# Altium PCB QCopterMV__Pcb.PcbDoc (part 2 of 2)
Units mil, origin at the board's own origin, x right, y up, seen from the top; angles counter-clockwise.
Board outline 2677.17 x 1299.21 mil, 2 copper layers (Top Layer, Bottom Layer); 62 components, 103 nets, 336 pads, 115 vias.
Unrouted connection lines stored in the file: 1.
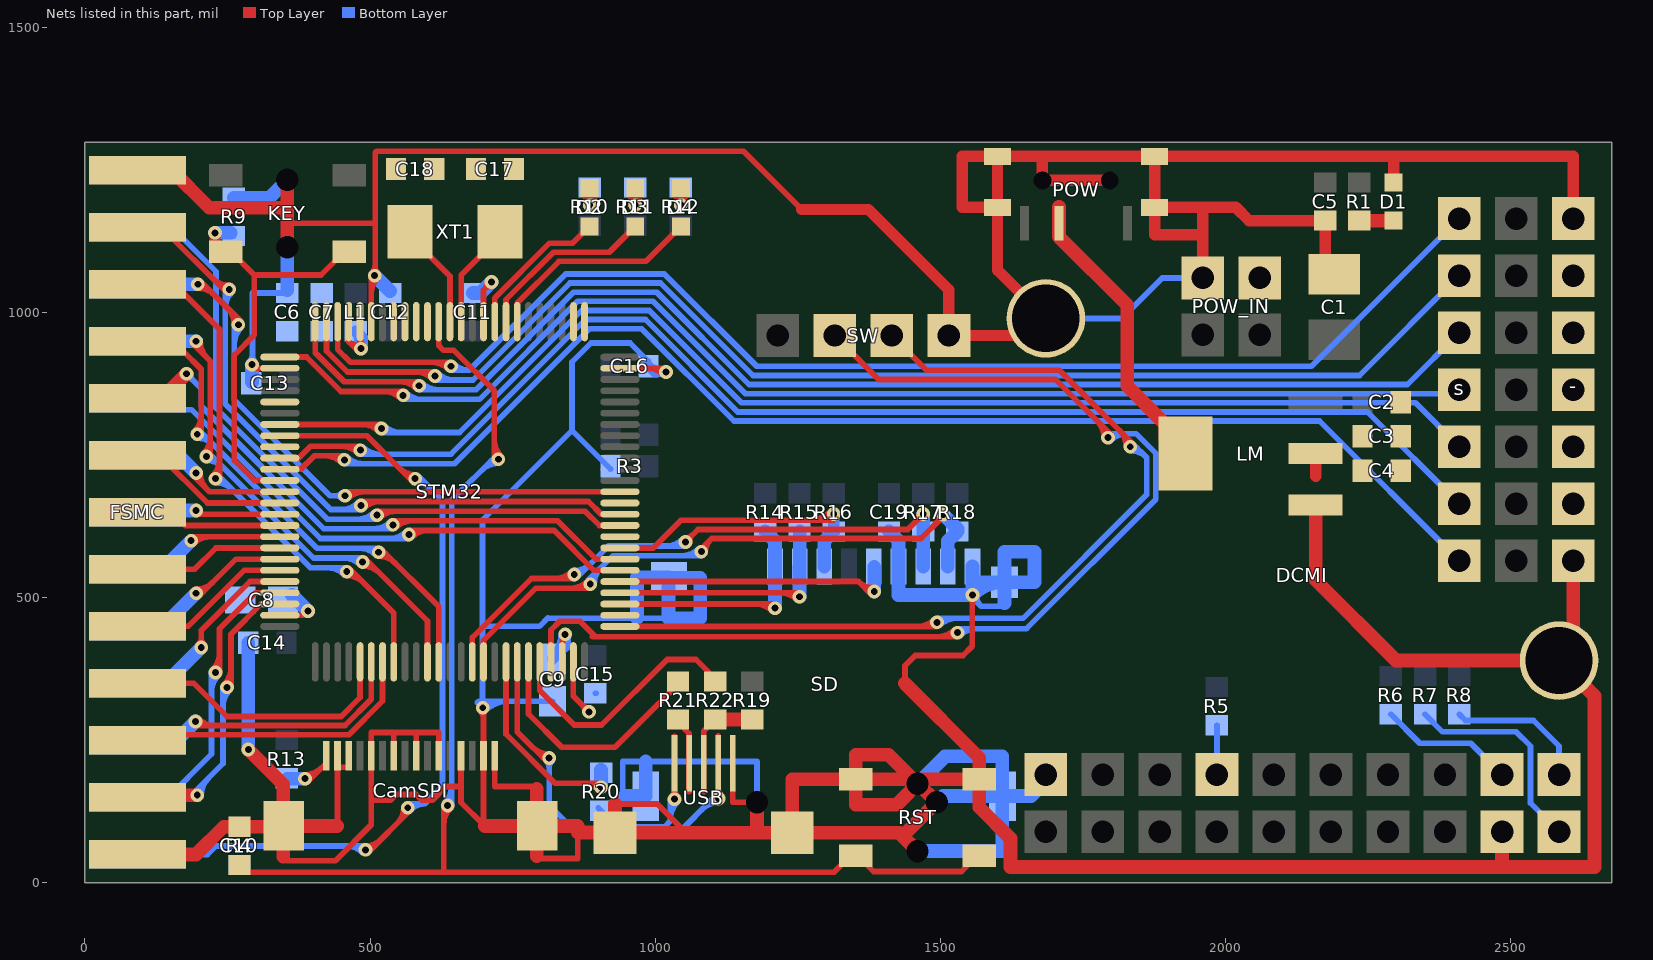
[diagram p2: the nets of this part, all layers, seen from the top]

## Via types
v1: diameter 24, hole 12, Top Layer to Bottom Layer, 115 vias

## Nets (pads, with @x,y where several pads share a name; then routed paths per layer and width w, separated by ;. In a path a pad name is that pad's centre, name@x,y a point inside that pad or via, vN(x,y) a via of type N, cw(c..) or ccw(c..) an arc to the next point about the centre after c; other vN are vias at no path point) (continued)
GND: -.1 -.2 -.3 -.4 -.5 -.6 -.7 C1.2 C2.1 C3.1 C4.1 C5.1 C6.2 C7.2 C8.2 C9.2 C10.2 C11.1 C12.1 C13.1 C14.1 C15.1 C16.1 C17.1 C18.1 C19.1 CamSPI.0 CamSPI.2 CamSPI.3 CamSPI.5 CamSPI.7 CamSPI.9 CamSPI.11 CamSPI.13 CamSPI.15 CamSPI.16 D1.2 DCMI.0 DCMI.2 DCMI.17 FSMC.2 FSMC.26 KEY.0 LM.1 POW.0 POW_IN.2 POW_IN.4 R3.2 R9.1 RST.0 RST.2 SD.6 SD.9 STM32.10 STM32.20 STM32.27 STM32.74 STM32.99 SW.4 USB. USB.5 | length 17425.6
  Top Layer w10: v1@293.46,902.54 STM32.27@341.77,902.54 ; CamSPI.0@333.56,100.02 347.56,86.02 CamSPI.0@347.56,100.02 ; 347.56,44.94 353.5,39 439.1,39 502.1,102 502.1,264 580.84,264 ; KEY.0@355,1114.94 355,1156 356,1157 506,1157 ; 443.05,100.02 CamSPI.2@443.05,222.98 ; CamSPI.2@443.05,202.98 CamSPI.3@462.73,202.98 ; 502.1,145 536,145 546,155 581,155 591,145 609,145 633,169 658.58,169 ; STM32.20@502.2,984.23 502.2,1059.2 v1(508,1065) ; 502.2,1034.11 cw(c538.89,1034.11) v1@512.95,1060.05 ; v1@503.05,1069.95 ccw(c488.69,1084.31) 509,1084.31 ; v1@509,1065 509,1280.89 511.11,1283 1155,1283 1257,1181 ; 509,1079.49 ccw(c522.49,1079.49) v1@512.95,1069.95 ; CamSPI.7@541.47,222.98 541.47,264 ; CamSPI.9@580.84,222.98 580.84,264 ; CamSPI.11@620.21,217.98 620.21,264 580.84,264 ; CamSPI.13@659.58,222.98 659.58,141.35 698.95,101.98 v1@698.95,307.36 ; v1@692.69,302.41 cw(c677.56,287.29) 698.95,287.29 ; 698.95,293.64 cw(c711.36,293.64) v1@702.59,302.41 ; STM32.10@699.06,984.23 699.06,1040.06 v1(713,1054) ; v1@706,1054 cw(c689.1,1054) 701.05,1042.05 cw(c713,1030.1) v1@713,1047 ; CamSPI.16@718.64,222.98 718.64,169 792,169 ; 794.32,43 864,43 864,100.02 ; STM32.74@856.54,387.77 856.54,327.46 v1(884,300) ; v1@877,300 ccw(c860.1,300) 872.05,311.95 ccw(c884,323.9) v1@884,307 ; STM32.99@938.23,902.54 v1@1019.46,902.54 ; 941,138.49 1003.51,138.49 1046.84,95.16 ; 986.32,902.54 cw(c986.32,863.32) v1@1014.05,891.05 ; USB.5@1136.18,210 1136.18,141.61 SD.6@1178.5,141.61 ; 1438,350 1438,381 1456,399 1540,399 1556,415 v1@1556,508 ; 1452.13,181.93 RST.0@1460,174.06 ; v1@1551.51,500.05 cw(c1540.66,489.2) 1556,489.2 ; 1556,487 cw(c1574.46,487) v1@1561.41,500.05 ; DCMI.0@1655,960 DCMI.0@1685,990 ; C1.2@2175,1083.09 C1.2@2191,1067.09 ; DCMI.0@2585,390 DCMI.0@2610,415
  Top Layer w20: 1257,1181 1374,1181 1515,1040 SW.4@1515,960 DCMI.0@1655,960 ; DCMI.0@1685,990 1600.2,1074.8 POW.0@1600.2,1184.76 ; POW.0@1797.06,1232 POW.0@1678.94,1232 1678.94,1274.24 ; POW_IN.2@1960,1061 1960,1184.76 ; 1960,1137 1875.8,1137 POW.0@1875.8,1184.76 ; C1.2@2175,1083.09 C5.1@2175,1161.54 2041.22,1161.54 2018,1184.76 1960,1184.76 ; D1.2@2295,1228.46 2295,1274.24 ; -.1@2610,1165 2610,1274.24 2295,1274.24 ; POW.0@1600.2,1184.76 POW.0@1600.2,1274.24 ; POW.0@1600.2,1184.76 1538.76,1184.76 1538.76,1274.24 POW.0@1600.2,1274.24 ; POW.0@1600.2,1274.24 1678.94,1274.24 ; 1678.94,1274.24 POW.0@1875.8,1274.24 ; POW.0@1875.8,1184.76 1960,1184.76 ; POW.0@1875.8,1184.76 POW.0@1875.8,1274.24 ; POW.0@1875.8,1274.24 2295,1274.24
  Top Layer w24: FSMC.26@92,50 195,50 243.46,98.46 C10.2@271,98.46 CamSPI.0@347.56,98.46 ; FSMC.2@92,1250 152,1250 218,1184 355,1184 ; v1(286.54,234) 347.56,172.98 347.56,100.02 442.05,100.02 ; 347.56,45.94 CamSPI.0@347.56,87.02 ; KEY.0@355,1114.94 KEY.0@355,1233.06 ; 700.9,100.02 864,100.02 ; 792.44,47 792.44,164.88 ; 864,88.66 929.49,88.66 929.49,138.49 ; USB.@929.49,88.16 1178.5,88.16 ; SD.6@1178.5,141.61 1178.5,88.16 ; 1433.9,82.05 1492.44,140.59 SD.6@1492.44,141.61 ; 1438,350 1568.27,219.73 RST.2@1568.27,181.93 ; 1452.13,181.93 RST.2@1351.73,181.93 ; RST.0@1460,55.94 1427.79,88.16 USB.@1240.51,88.16 ; SD.6@1493.46,141.61 RST.0@1460,174.06 1409.06,225 1351.73,225 RST.2@1351.73,181.93 ; LM.1@2158.17,662.84 2158.17,530.83 2299,390 DCMI.0@2585,390 2647,328 2647,28 2485,28 ; DCMI.17@2485,90 2485,28 ; DCMI.0@2610,415 -.7@2610,565 ; 1178.5,88.16 USB.@1240.51,88.16 ; USB.@1240.51,88.16 1240.51,181.93 RST.2@1351.73,181.93 ; RST.2@1351.73,181.93 1351.73,137 1422.94,137 1467.87,181.93 RST.2@1568.27,181.93 ; RST.2@1568.27,181.93 1568.27,132.73 1623,78 1623,28 2485,28
  Bottom Layer w10: v1@288.05,913.95 ccw(c273.69,928.31) 294,928.31 ; v1@294,904 294,1034.46 C6.2@355,1034.46 ; 294,923.49 ccw(c307.49,923.49) v1@297.95,913.95 ; C12.1@535,1034.46 C12.1@535,1038 ; 688.44,316.56 cw(c693.38,311.62) 693.38,318.6 ; v1@692.69,312.31 ccw(c682.27,322.73) 697,322.73 ; v1@695.52,309.48 cw(c717.52,287.48) 717.52,318.6 ; v1@697,303.36 697,450 ; 697,325.8 ccw(c716.07,325.8) v1@702.59,312.31 ; v1@697.6,318.6 C9.2@820,318.6 ; v1@702.59,302.41 cw(c741.66,263.34) 741.66,318.6 ; 812,465 797,450 697,450 ; 813,464 1023.9,464 ; C15.1@895,332.54 C15.1@896.54,332.54 ; R3.2@921.54,726 854,793.54 ; 943,152.36 943,213 1178.5,213 SD.6@1178.5,141.61 ; C16.1@988.46,906 988.46,914.54 956,947 887.47,947 854,913.53 854,793.54 ; SD.6@1023.9,524.32 SD.6@1029.9,530.32 ; SD.6@1493.46,141.61 1504.21,152.36 ; v1@1551.46,505 1571.46,485 ; v1@1563.46,504.86 ccw(c1590.78,504.33) 1571.46,485 ; 1612.56,485 1571.46,485 ; DCMI.0@1685,990 1818,990 1889,1061 POW_IN.2@1960,1061 ; 697,450 697,636.54 854,793.54
  Bottom Layer w18: v1@1018.08,898.86 cw(c1009.12,926.65) C16.1@988.46,906 998.46,896 v1(1019,896)
  Bottom Layer w24: R9.1@261,1201.46 323.41,1201.46 KEY.0@355,1233.06 ; v1(286.54,234) C14.1@286.54,421 ; C13.1@293,878.46 v1(293,909) ; C6.2@355,1039.46 KEY.0@355,1114.94 ; v1(508,1065) C12.1@535,1038 ; C11.1@680,1034.46 693.46,1034.46 v1(713,1054) ; 947,152.36 SD.6@983.46,152.36 983.46,213 ; 968,464 968,536 1023.21,536 1023.21,464 ; 1023.9,464 1079,464 1079,535.32 SD.6@1023.9,535.32 ; C19.1@1410,616.54 1426.54,600 SD.6@1426.54,555 1426.54,505 v1(1556.46,505) ; RST.0@1460,55.94 1608.7,55.94 SD.6@1608.7,152.36 ; RST.0@1460,174.06 1507.94,222 1608.7,222 SD.6@1608.7,152.36 ; 1504.21,152.36 SD.6@1608.7,152.36 ; SD.9@1556.46,555 SD.9@1556.46,527.32 ; SD.6@1610.33,527.32 ccw(c1610.33,451.13) v1(1556.46,505) ; 1612.56,491 1612.56,581 1665,581 1665,527.32 SD.6@1612.56,527.32 SD.9@1556.46,527.32 ; DCMI.2@1685,190 1685,178 1659.36,152.36 SD.6@1608.7,152.36 ; v1(1556.46,505) SD.9@1556.46,527.32
  other v1: 697.64,307.36
KEY: KEY.2 R9.2 STM32.37 | length 771.4
  Top Layer w10: KEY.2@246.73,1107.07 255.93,1107.07 297,1066 ; STM32.37@341.77,705.68 297.32,705.68 262,741 262,926 297,961 297,1066 ; KEY.2@455.07,1107.07 414,1066 297,1066 ; KEY.2@457.07,1107.07 KEY.2@465.27,1107.07
  Top Layer w20: v1(228,1140) 228,1107.07 KEY.2@246.73,1107.07
  Bottom Layer w10: R9.2@255.54,1140 R9.2@261,1134.54
  Bottom Layer w24: v1(228,1140) R9.2@255.54,1140
LCD_CS: FSMC.5 STM32.88 | length 1265.9
  Top Layer w10: v1@198,1043 cw(c198,1001.96) 227.02,1030.98 ; v1@198,1053 cw(c198,1036.1) 209.95,1048.05 ; v1@203,1055 v1@274,984 ; 249.98,1008.02 cw(c220.96,979) v1@262,979 ; 267.05,990.95 cw(c255.1,979) v1@272,979 ; v1@456,686 STM32.88@938.23,686 ; v1@460.95,674.05 cw(c489.8,645.2) 489.8,686
  Bottom Layer w10: 262,945.2 cw(c302.8,945.2) v1@273.95,974.05 ; v1@262,979 262,847 430,679 v1(456,679) ; v1@451.05,674.05 ccw(c439.1,662.1) 439.1,679 ccw(c439.1,695.9) v1@451.05,683.95
  Bottom Layer w24: FSMC.5@92,1050 v1(198,1050)
  other v1: 269,979
LCD_D0: FSMC.7 STM32.61 | length 1083.3
  Top Layer w10: v1@190,945 220,915 v1@220,748 ; v1@192,950 ccw(c208.9,950) 196.95,938.05 ; v1@202,950 ccw(c243.04,950) 214.02,920.98 ; v1@208.05,752.95 ccw(c179.2,781.8) 220,781.8 ; v1@487,556 cw(c487,514.96) 516.02,543.98 ; v1@487,566 cw(c487,549.1) 498.95,561.05 ; v1@491.81,568.19 600.63,459.37 STM32.61@600.63,387.77
  Bottom Layer w10: v1@213,741 cw(c213,699.96) 242.02,728.98 ; v1@213,751 cw(c213,734.1) 224.95,746.05 ; v1@218,753 401,570 v1@487,570 ; 453.2,570 cw(c453.2,529.2) v1@482.05,558.05
  Bottom Layer w24: FSMC.7@92,950 v1(195,950)
  other v1: 487,563 213,748
LCD_D1: FSMC.8 STM32.62 | length 975
  Top Layer w10: FSMC.8@148,933 172,933 204,901 v1@204,787 ; v1@192.05,791.95 ccw(c163.2,820.8) 204,820.8 ; v1@515,573 cw(c515,531.96) 544.02,560.98 ; v1@515,583 cw(c515,566.1) 526.95,578.05 ; v1@520,585 620.31,484.69 STM32.62@620.31,387.77
  Bottom Layer w10: v1@197,780 cw(c197,738.96) 226.02,767.98 ; v1@197,790 cw(c197,773.1) 208.95,785.05 ; v1@202,792 407,587 v1@515,587 ; 481.2,587 cw(c481.2,546.2) v1@510.05,575.05
  other v1: 515,580 197,787
LCD_D2: FSMC.9 STM32.81 | length 1040.1
  Top Layer w10: v1@569,618 823,618 892.8,548.2 STM32.81@938.23,548.2 ; v1@572.95,606.05 cw(c601.8,577.2) 601.8,618
  Bottom Layer w10: FSMC.9@92,850 112,830 187,830 413,604 v1@568,604 ; 534.2,604 ccw(c534.2,644.8) v1@563.05,615.95
  other v1: 568,611
LCD_D3: FSMC.10 STM32.82 | length 1113.3
  Top Layer w10: v1@540,635 829,635 896.11,567.89 STM32.82@938.23,567.89 ; v1@544.95,623.05 cw(c573.8,594.2) 573.8,635
  Top Layer w24: FSMC.10@92,850 135,850 v1(178,893)
  Bottom Layer w10: v1@178,886 cw(c178,869.1) 189.95,881.05 cw(c201.9,893) v1@185,893 ; v1(178,893) 204,867 204,836 419,621 v1@540,621 ; 506.2,621 ccw(c506.2,661.8) v1@535.05,632.95
  other v1: 540,628
LCD_D4: FSMC.11 STM32.38 | length 310.7
  Top Layer w10: v1@189.82,714.82 218.65,686 STM32.38@341.77,686 ; v1@202,719 ccw(c241.48,719) 213.56,691.08
  Bottom Layer w24: FSMC.11@92,750 164,750 v1(195,719)
LCD_D5: FSMC.12 STM32.39 | length 300.4
  Top Layer w10: FSMC.12@102,750 FSMC.12@157,750 ; FSMC.12@131,750 214.69,666.31 STM32.39@341.77,666.31
LCD_D6: FSMC.13 STM32.40 | length 249.1
  Top Layer w10: v1@195.63,646.63 STM32.40@341.77,646.63
  Bottom Layer w24: FSMC.13@92,653 v1(195,653)
LCD_D7: FSMC.14 STM32.41 | length 184.2
  Top Layer w10: FSMC.14@163,640 176.06,626.94 STM32.41@341.77,626.94
LCD_D8: FSMC.15 STM32.42 | length 302.6
  Top Layer w10: v1@186.26,607.26 STM32.42@341.77,607.26 ; v1@191.21,595.31 cw(c220.06,566.46) 220.06,607.26
  Bottom Layer w24: FSMC.15@92,550 136,550 v1(186.26,600.26)
LCD_D9: FSMC.16 STM32.43 | length 265.3
  Top Layer w10: FSMC.16@92,550 192,550 229.57,587.57 STM32.43@341.77,587.57
LCD_D10: FSMC.17 STM32.44 | length 294.8
  Top Layer w10: v1@195,505 ccw(c195,521.9) 206.95,509.95 ; v1@195,515 ccw(c195,556.04) 224.02,527.02 ; v1@201,504 264.89,567.89 STM32.44@341.77,567.89
  Bottom Layer w24: FSMC.17@137,450 v1(195,508)
LCD_D11: FSMC.18 STM32.45 | length 290.4
  Top Layer w10: FSMC.18@92,450 181,450 279.2,548.2 STM32.45@341.77,548.2
LCD_D12: FSMC.19 STM32.46 | length 359.6
  Top Layer w10: v1@199.05,417.95 ccw(c187.1,429.9) 204,429.9 ccw(c220.9,429.9) v1@208.95,417.95 ; v1(204,413) 204,443 289.52,528.52 STM32.46@341.77,528.52
  Bottom Layer w10: FSMC.19@127,341 FSMC.19@155,341
  Bottom Layer w24: FSMC.19@132,341 v1(204,413)
LCD_D13: FSMC.20 STM32.55 | length 434.5
  Top Layer w10: FSMC.20@153,339 164,350 191,350 249,292 449.53,292 482.52,324.99 STM32.55@482.52,387.77
LCD_D14: FSMC.21 STM32.56 | length 540.7
  Top Layer w10: v1@194,276 456.15,276 502.2,322.05 STM32.56@502.2,387.77 ; v1@198.95,287.95 ccw(c227.8,316.8) 227.8,276
  Bottom Layer w24: FSMC.21@92,250 161,250 v1(194,283)
LCD_D15: FSMC.22 STM32.57 | length 535
  Top Layer w10: FSMC.22@80,260 462.78,260 521.89,319.11 STM32.57@521.89,387.77
LCD_INT: FSMC.24 STM32.48 | length 611.8
  Top Layer w10: v1@244.05,347.95 ccw(c215.2,376.8) 256,376.8 ; v1@256,344 256,436.14 309.01,489.15 STM32.48@341.77,489.15
  Top Layer w24: FSMC.24@98,154 v1(197,154)
  Bottom Layer w10: v1@192,159 242.26,209.26 v1@242.26,342.26 ; v1@194,154 cw(c210.9,154) 198.95,165.95 ; v1@204,154 cw(c245.04,154) 216.02,183.02 ; 242.26,309.84 cw(c282.16,309.84) v1@253.95,338.05
  other v1: 249,343
LCD_RD: FSMC.3 STM32.85 | length 1224.7
  Top Layer w10: v1@512,652 877,652 902.06,626.94 STM32.85@938.23,626.94 ; v1@516.95,640.05 cw(c545.8,611.2) 545.8,652
  Bottom Layer w10: FSMC.3@138,1145 157,1145 230,1072 230,833 425,638 v1@512,638 ; 478.2,638 ccw(c478.2,678.8) v1@507.05,649.95
  other v1: 512,645
LCD_RS: FSMC.6 STM32.58 | length 1032.6
  Top Layer w10: FSMC.6@137,1041 166,1041 236,971 v1@236,709 ; v1@224.05,713.95 ccw(c195.2,742.8) 236,742.8 ; v1@459,539 cw(c459,497.96) 488.02,526.98 ; v1@459,549 cw(c459,532.1) 470.95,544.05 ; v1@464,551 541.57,473.43 STM32.58@541.57,387.77
  Bottom Layer w10: v1@229,702 cw(c229,660.96) 258.02,689.98 ; v1@229,712 cw(c229,695.1) 240.95,707.05 ; v1@233.68,714.32 395,553 v1@459,553 ; 425.2,553 cw(c425.2,512.2) v1@454.05,541.05
  other v1: 459,546 229,709
LCD_RST: FSMC.25 STM32.33 | length 1602.5
  Top Layer w10: STM32.33@341.77,784.43 494.22,784.43 v1@576.32,702.32 ; v1@492,65 ccw(c492,103.63) 519.31,76.31 ; v1@495,52 v1@570.82,127.82 ; 547.69,104.69 ccw(c520.37,132) v1@559,132 ; 551.08,727.56 ccw(c579,755.48) v1@579,716
  Bottom Layer w10: FSMC.25@92,50 215,50 230,65 v1@492,65 ; 458.2,65 cw(c458.2,24.2) v1@487.05,53.05 ; v1@565,139 596,139 ; v1@571.37,127.5 cw(c596,106.86) 596,139 ; v1@579,702 cw(c579,661.2) 607.85,690.05 ; v1@583.95,713.95 627,670.9 627,170 596,139
  other v1: 492,58 566,132 579,709
LCD_WAIT: FSMC.23 STM32.47 | length 540.3
  Top Layer w10: v1@224.05,373.95 ccw(c195.2,402.8) 236,402.8 ; v1@236,370 236,445.77 299.06,508.83 STM32.47@341.77,508.83
  Bottom Layer w10: FSMC.23@130,145 141,145 222,226 v1@222,369 ; 222,335.2 cw(c262.8,335.2) v1@233.95,364.05
  other v1: 229,369
LCD_WR: FSMC.4 STM32.86 | length 1352.2
  Top Layer w10: FSMC.4@91,1150 FSMC.4@157,1150 ; FSMC.4@131,1153 v1@248,1036 ; 223.98,1060.02 ccw(c253,1089.04) v1@253,1048 ; 241.05,1042.95 ccw(c253,1054.9) v1@253,1038 ; v1@484,669 883.09,669 905.46,646.63 STM32.86@938.23,646.63 ; v1@488.95,657.05 cw(c517.8,628.2) 517.8,669
  Bottom Layer w10: 246,1007.2 cw(c286.8,1007.2) v1@257.95,1036.05 ; v1@246,1041 246,840 431,655 v1@484,655 ; 450.2,655 ccw(c450.2,695.8) v1@479.05,666.95
  other v1: 484,662 253,1041
LED_B: D4.2 STM32.7 | length 375.4
  Top Layer w10: STM32.7@758.11,984.23 758.11,1016.99 831.12,1090 983.46,1090 D4.2@1045,1151.54
LED_G: D3.2 STM32.8 | length 318.6
  Top Layer w10: STM32.8@738.43,984.23 738.43,1022.94 821.49,1106 919.46,1106 D3.2@965,1151.54
LED_R: D2.2 STM32.9 | length 260
  Top Layer w10: STM32.9@718.74,984.23 718.74,1025.88 814.86,1122 855.46,1122 D2.2@885,1151.54
NetCamSPI_1: CamSPI.1 R13.2 | length 135.4
  Top Layer w10: v1@386,180 ccw(c386,196.9) 397.95,184.95 ; v1@386,190 ccw(c386,231.04) 415.02,202.02 ; v1@391,178 423.36,210.36 CamSPI.1@423.36,222.98
  Bottom Layer w24: R13.2@354.54,183 v1(386,183)
NetD1_1: D1.1 R1.1 | length 60
  Top Layer w24: R1.1@2235,1161.54 D1.1@2295,1161.54
NetD2_1: D2.1 R10.1 | length 59.9
  Top Layer w24: v1(885,1189) D2.1@885,1218.46
  Bottom Layer w24: v1(885,1189) R10.1@885,1219.46
NetD3_1: D3.1 R11.1 | length 59.9
  Top Layer w24: v1(965,1189) D3.1@965,1218.46
  Bottom Layer w24: v1@965,1189.54 R11.1@965,1220
NetD4_1: D4.1 R12.1 | length 59.9
  Top Layer w24: v1(1045,1189) D4.1@1045,1218.46
  Bottom Layer w24: v1(1045,1189) R12.1@1045,1219.46
NetDCMI_8: DCMI.8 R5.1 | length 86.5
  Bottom Layer w10: DCMI.8@1985,190 R5.1@1985,276.54
NetDCMI_18: DCMI.18 R6.1 | length 238.8
  Bottom Layer w10: R6.1@2290,295.79 2340.79,245 2430,245 DCMI.18@2485,190
NetDCMI_19: DCMI.19 R7.2 | length 378.8
  Bottom Layer w10: R7.2@2350,295.79 2380.79,265 2510,265 2535,240 2535,140 DCMI.19@2585,90
NetDCMI_20: DCMI.20 R8.1 | length 248.1
  Bottom Layer w10: R8.1@2410,295.79 2420.79,285 2540,285 2585,240 DCMI.20@2585,190
NetR19_1: R19.1 R22.1 USB.3 | length 199.8
  Top Layer w10: 1085,160 1085,266.54 R22.1@1105,286.54
  Top Layer w24: R22.1@1105,286.54 R19.1@1170,286.54
NetR21_1: R21.1 USB.2 | length 129.6
  Top Layer w10: R21.1@1040,281.54 1059.41,262.13 1059.41,160
NetSTM32_1: STM32.1
NetSTM32_2: STM32.2
NetSTM32_15: STM32.15
NetSTM32_16: STM32.16
NetSTM32_17: STM32.17
NetSTM32_18: STM32.18
NetSTM32_30: STM32.30
NetSTM32_34: STM32.34
NetSTM32_87: STM32.87
OSC1: C17.2 STM32.12 XT1.2 | length 186
  Top Layer w10: STM32.12@659.69,984.23 659.69,1065.68 727.74,1133.74 XT1.2@727.74,1142
OSC2: C18.2 STM32.13 XT1.1 | length 194.4
  Top Layer w10: XT1.1@562.26,1130.74 573.26,1130.74 640,1064 STM32.13@640,984.23 ; XT1.1@570.26,1132.74 XT1.1@570.26,1142
PWM1: s.1 STM32.23 | length 2331.4
  Top Layer w10: STM32.23@443.15,984.23 443.15,935.73 465.88,913 v1@642,913 ; 608.2,913 cw(c608.2,872.2) v1@637.05,901.05
  Bottom Layer w10: v1@642,899 674,899 ; v1@647.14,910.75 ccw(c674,935.57) 674,899 ; s.1@2410,1165 2151,906 1178,906 1016,1068 843,1068 674,899
  other v1: 642,906
PWM2: s.2 STM32.24 | length 2326.3
  Top Layer w10: STM32.24@423.46,984.23 423.46,932.79 460.25,896 v1@614,896 ; 580.2,896 cw(c580.2,855.2) v1@609.05,884.05
  Bottom Layer w10: v1@614,882 680.37,882 850.37,1052 1009.37,1052 1171.37,890 ; v1@618.95,893.95 ccw(c647.8,922.8) 647.8,882 ; 1172.37,890 2235,890 s.2@2410,1065
  other v1: 614,889
PWM3: s.3 STM32.25 | length 2320.4
  Top Layer w10: STM32.25@403.78,984.23 403.78,929.85 454.63,879 v1@586,879 ; 552.2,879 cw(c552.2,838.2) v1@581.05,867.05
  Bottom Layer w10: v1@586,865 686,865 857,1036 1002.75,1036 1164.75,874 ; v1@590.95,876.95 ccw(c619.8,905.8) 619.8,865 ; 1165.75,874 2319,874 s.3@2410,965
  other v1: 586,872
PWM4: s.4 STM32.26 | length 2294.6
  Top Layer w10: STM32.26@341.77,922.22 388.78,922.22 449,862 v1@558,862 ; 524.2,862 cw(c524.2,821.2) v1@553.05,850.05
  Bottom Layer w10: v1@558,848 692,848 864,1020 996.12,1020 1158.12,858 ; v1@562.95,859.95 ccw(c591.8,888.8) 591.8,848 ; 1159.12,858 s.4@2410,858
  other v1: 558,855
PWM5: s.5 STM32.32 | length 2332.5
  Top Layer w10: STM32.32@341.77,804.11 v1@519.89,804.11 ; 485.94,804.11 cw(c485.94,762.93) v1@515.05,792.05 ; 510.08,804.11 cw(c510.08,787.08) v1@522.12,799.12
  Bottom Layer w10: v1@520,790 657,790 871,1004 989.49,1004 1151.49,842 ; v1@524.95,801.95 ccw(c553.8,830.8) 553.8,790 ; 1152.49,842 2333,842 s.5@2410,765
  other v1: 520,797
PWM6: s.6 STM32.35 | length 2371.5
  Top Layer w10: STM32.35@341.77,745.06 374.96,745.06 395.91,766 v1@483,766 ; 449.2,766 cw(c449.2,725.2) v1@478.05,754.05
  Bottom Layer w10: v1@483,752 642,752 878,988 982.86,988 1144.86,826 ; v1@487.95,763.95 ccw(c516.8,792.8) 516.8,752 ; 1145.86,826 2249,826 s.6@2410,665
  other v1: 483,759
PWM7: s.7 STM32.36 | length 2407.9
  Top Layer w10: STM32.36@341.77,725.37 378.37,725.37 402,749 v1@455,749 ; 421.2,749 cw(c421.2,708.2) v1@450.05,737.05
  Bottom Layer w10: v1@455,735 648,735 885,972 976.24,972 1138.24,810 ; v1@459.95,746.95 ccw(c488.8,775.8) 488.8,735 ; 1139.24,810 2165,810 s.7@2410,565
  other v1: 455,742
RST: C10.1 R4.2 RST.1 STM32.14 | length 2524.7
  Top Layer w10: C10.1@267.5,28.04 276.54,19 1314,19 1343.07,48.07 RST.1@1351.73,48.07 ; STM32.14@620.31,984.23 620.31,942.69 629,934 647,934 718,863 v1@718,744 ; 629,19 v1@629,136 ; 629,102.2 cw(c669.8,102.2) v1@640.95,131.05 ; 718,776.8 ccw(c758.8,776.8) v1@729.95,747.95 ; RST.1@1359.93,48.07 1357.43,45.57 1383,20 1537,20 1559.07,42.07 RST.1@1559.07,48.07
  Bottom Layer w10: v1@631.05,140.95 ccw(c602.2,169.8) 643,169.8 ; v1@643,136 643,671 v1@720,748 ; 695.98,723.98 cw(c725,694.96) v1@725,736 ; 713.05,741.05 cw(c725,729.1) v1@725,746
  other v1: 636,136 725,743
SD_CLK: SD.5 STM32.80 | length 529.4
  Top Layer w10: STM32.80@933.23,528.52 1356.48,528.52 ; v1@1379,506 1356.48,528.52 ; v1@1383.67,517.99 cw(c1381.99,554.03) 1356.48,528.52
  Bottom Layer w10: SD.5@1383.23,555 SD.5@1384,554.23
  Bottom Layer w24: v1(1384,511) SD.5@1384,554.23
SD_CMD: R16.2 SD.3 STM32.83 | length 566.3
  Top Layer w10: STM32.83@938.23,587.57 996.57,587.57 1045,636 1312,636 v1@1317,641 ; 1269.54,636 ccw(c1269.54,690.46) v1@1308.05,651.95 ; 1293.69,636 ccw(c1293.69,666.31) v1@1315.12,644.88
  Bottom Layer w20: R16.2@1313,616.54 v1(1313,647)
  Bottom Layer w24: SD.3@1296.61,555 1296.61,600.15 R16.2@1313,616.54
SD_D0: R17.2 SD.7 STM32.65 | length 1163.9
  Top Layer w10: STM32.65@679.37,387.77 679.37,430.37 783,534 v1@859,534 ; 824.2,534 ccw(c824.2,574.8) v1@853.05,545.95 ; v1@1053,605 ccw(c1053,621.9) 1064.95,609.95 ccw(c1076.9,598) v1@1060,598 ; v1@1058,603 1075,620 1443,620 v1(1470,647) ; v1@1463,647 cw(c1446.1,647) 1458.05,635.05 cw(c1470,623.1) v1@1470,640
  Bottom Layer w10: v1@858,538 ccw(c858,554.9) 869.95,542.95 ; v1@858,548 ccw(c858,589.04) 887.02,560.02 ; v1@863,536 918,591 v1@1054,591 ; 1019.2,591 ccw(c1019.2,631.8) v1@1048.05,602.95
  Bottom Layer w20: R17.2@1469.84,616.38 R17.2@1470,616.54
  Bottom Layer w24: SD.7@1469.84,555 R17.2@1469.84,616.38 ; R17.2@1470,616.54 v1(1470,647)
  other v1: 858,541 1053,598
SD_D1: R18.2 SD.8 STM32.66 | length 1179.2
  Top Layer w10: STM32.66@699.06,387.77 699.06,425.06 791,517 v1@885,517 ; 852.2,517 ccw(c852.2,557.8) v1@881.05,528.95 ; v1@1086,591 1099,604 1466,604 v1@1504.32,642.32 ; v1@1088,581 cw(c1116.97,581) 1096.49,601.49 ; 1490.93,628.93 ccw(c1473.86,646) v1@1498,646
  Bottom Layer w10: v1@881,529 926,574 v1@1081,574 ; v1@883,524 cw(c899.9,524) 887.95,535.95 ; v1@893,524 cw(c934.04,524) 905.02,553.02 ; 1047.2,574 ccw(c1047.2,614.8) v1@1076.05,585.95
  Bottom Layer w20: R18.2@1530,616.54 R18.2@1530,621
  Bottom Layer w24: v1(1505,646) R18.2@1530,621 ; SD.8@1513.15,555 1513.15,599.69 R18.2@1530,616.54
  other v1: 886,524 1081,581
SD_D2: R14.2 SD.1 STM32.78 | length 464.1
  Top Layer w10: STM32.78@933.23,489.15 v1@1209.85,489.15 ; 1175.84,489.15 cw(c1175.84,447.84) v1@1205.05,477.05 ; 1199.98,489.15 cw(c1199.98,471.98) v1@1212.12,484.12
  Bottom Layer w24: R14.2@1193,616.54 1210,599.54 SD.1@1210,555 v1(1210,482)
SD_D3: R15.2 SD.2 STM32.79 | length 465.5
  Top Layer w10: STM32.79@933.23,508.83 v1@1253.17,508.83 ; 1219.6,508.83 cw(c1219.6,468.6) v1@1248.05,497.05
  Bottom Layer w24: v1(1253,502) SD.2@1253,554.69 ; SD.2@1253.31,555 R15.2@1253.31,616.23
SW_CLK: STM32.76 SW.3 | length 1787.4
  Top Layer w10: STM32.76@933.23,449.78 v1@1493.78,449.78 ; SW.3@1415,960 1476,899 1709,899 v1@1838,770 ; 1459.67,449.78 ccw(c1459.67,491.33) v1@1489.05,461.95 ; 1483.81,449.78 ccw(c1483.81,467.19) v1@1496.12,454.88 ; 1813.98,794.02 cw(c1784.96,765) v1@1826,765 ; 1831.05,776.95 cw(c1819.1,765) v1@1836,765
  Bottom Layer w10: v1@1495,464 1645,464 1862,681 1862,746 ; v1@1498.95,452.05 cw(c1527.8,423.2) 1527.8,464 ; v1@1833,758 cw(c1833.03,717.03) 1862,746 ; v1@1833,768 cw(c1833.01,751.12) 1844.94,763.06 ; v1@1838,770 1862,746
  other v1: 1494,457 1833,765
SW_DIO: STM32.72 SW.2 | length 2109.5
  Top Layer w10: STM32.72@817.17,387.77 817.17,443.69 832.47,459 868,459 895,432 ; 890,432 v1@1530,432 ; SW.2@1315,960 1392,883 1702,883 v1@1799,786 ; 1496.2,432 ccw(c1496.2,472.8) v1@1525.05,443.95 ; 1774.98,810.02 cw(c1745.96,781) v1@1787,781 ; 1792.05,792.95 cw(c1780.1,781) v1@1797,781
  Bottom Layer w10: v1@1530,446 1651,446 1878,673 1878,753 1843,788 v1@1794,788 ; v1@1534.95,434.05 cw(c1563.8,405.2) 1563.8,446 ; v1@1798.95,776.05 cw(c1827.8,747.2) 1827.8,788
  other v1: 1530,439 1794,781
USB_DM: R21.2 STM32.70 | length 423.6
  Top Layer w10: STM32.70@777.8,387.77 777.8,296.2 836,238 929.54,238 R21.2@1040,348.46
USB_DP: R22.2 STM32.71 | length 449.4
  Top Layer w10: STM32.71@797.48,387.77 797.48,337.52 858,277 906,277 1021,392 1071.46,392 1105,358.46 R22.2@1105,353.46
USB_ID: STM32.69 USB.4 | length 874.9
  Top Layer w10: 758.11,264.89 v1@810,213 ; 758.11,265.89 STM32.69@758.11,387.77 ; 784.98,238.02 ccw(c814,267.04) v1@814,226 ; 802.05,220.95 ccw(c814,232.9) v1@814,216 ; v1@1106.05,152.95 ccw(c1095.09,163.91) USB.4@1110.59,163.91 ; v1@1110.59,148.41 USB.4@1110.59,257.81 ; USB.4@1110.59,165.89 ccw(c1128.89,165.89) v1@1115.95,152.95
  Bottom Layer w10: v1@809.05,214.05 cw(c797.1,202.1) 814,202.1 cw(c830.9,202.1) v1@818.95,214.05 ; v1(814,219) 814,137 868.94,82.06 1035.06,82.06 v1@1106,153 ; 1081.98,128.98 cw(c1111,99.96) v1@1111,141 ; 1099.05,146.05 cw(c1111,134.1) v1@1111,151
  other v1: 1111,148
USB_OC: STM32.77
USB_PSW: STM32.84
USB_VBUS: R20.2 STM32.68 | length 391.4
  Top Layer w10: STM32.68@738.43,387.77 738.43,261.05 824.47,175 v1@905,175 ; 871.2,175 cw(c871.2,134.2) v1@900.05,163.05
  Bottom Layer w24: v1(905,168) R20.2@905,198.46
VBUS: R20.1 USB.1 | length 352.1
  Top Layer w10: v1@1029.05,151.95 ccw(c1017.54,163.46) USB.1@1033.82,163.46 ; v1@1033.82,147.18 USB.1@1033.82,257.32 ; USB.1@1033.82,164.34 ccw(c1051.34,164.34) v1@1038.95,151.95
  Bottom Layer w10: R20.1@900,131.54 933.48,98.06 1016.06,98.06 1027,109 v1@1027,147 ; 1027,113.2 cw(c1067.8,113.2) v1@1038.95,142.05
  other v1: 1034,147
VCAP1: C8.1 STM32.49 | length 85.4
  Top Layer w10: STM32.49@341.77,469.46 v1@387.54,469.46
  Bottom Layer w24: C8.1@363,505 v1(391,477)
VCAP2: C9.1 STM32.73 | length 144.9
  Top Layer w10: STM32.73@836.85,387.77 836.85,430.85 v1(842,436)
  Bottom Layer w20: C9.1@820,393.4 842,415.4 v1(842,436) ; C9.1@824.02,397.42 ccw(c785.44,436) v1@840,436
VCC3: C3.2 C4.2 LM.2 POW.2 | length 610.6
  Top Layer w20: LM.2@1893,806 1893,780 1920,753 LM.2@1929.83,753 LM.2@1929.83,713 ; 2158.17,713 LM.2@2158.17,753
  Top Layer w24: POW.2@1708,1186 1708,1133 1828,1013 1828,871 LM.2@1893,806
VDDA: C6.1 C7.1 L1.2 STM32.21 STM32.22 | length 216.8
  Top Layer w10: STM32.22@463,984.06 463,948.65 ; v1@479.05,941.95 ccw(c470.67,950.33) STM32.21@482.52,950.33 ; v1@479.65,932 463,948.65 ; v1@482.06,943.73 cw(c476.7,962.35) 463,948.64 ; v1@482.52,941.48 STM32.21@482.52,984.23 ; STM32.21@482.52,957.47 ccw(c504.47,957.47) v1@488.95,941.95
  Bottom Layer w20: v1@482.1,937.63 ccw(c454.29,946.82) L1.2@475,967.54 L1.2@487,955.54
  Bottom Layer w24: v1(484,937) L1.2@484,955.54
pads on no net: POW.3

## Polygon pours and split planes (outlines as drawn)
GND on Top Layer "Top Layer-No Net" (hatched 45Degree grid 4 track 4, remove dead copper, pour order 2): 0,1299.21 2677.17,1299.21 2677.17,0 0,0
GND on Bottom Layer "Top Layer-No Net" (hatched 45Degree grid 4 track 4, remove dead copper, pour order 5): 0,0 2677.17,0 2677.17,1299.21 0,1299.21

## Keep-outs
Keep-Out Layer:
  the board outline again, w2

## Other copper
Top Layer:
  rectangle net 5V: 1922,923 2098,999
  rectangle net GND: 1922,1023 2098,1099
  rectangle net 5V: 2472,527 2548,1203
  rectangle net OSC2: 527,1094 564,1272
  rectangle net OSC2: 527,1094 610,1190
  rectangle net OSC1: 735,1094 771,1272
  rectangle net OSC1: 688,1094 771,1190
  rectangle net GND: 594.75,1228.38 703.25,1284
  rectangle net GND: 2572,527 2648,1203
  rectangle net 5V: 2111,823 2258.25,863
  rectangle net GND: 2289.75,655 2326,866
  rectangle net GND: 2110,643 2326,682
  rectangle net VCC3: 1966,703 2258.25,803
  rectangle net GND: 2447,38.96 2523,128
  pour cut-out: 857,1244.25 913,1244.25 913,1120 857,1120
  pour cut-out: 937,1244.25 993,1244.25 993,1105 937,1105
  pour cut-out: 1017,1244.25 1073,1244.25 1073,1124.25 1017,1124.25
  pour cut-out: 1528,212 1608,212 1608,152 1528,152
  pour cut-out: 1312,212 1392,212 1392,152 1312,152
  pour cut-out: 1288,40 1193,40 1193,136 1288,136
  pour cut-out: 977,40 882,40 882,136 977,136
  pour cut-out: 711,259 711,183 386,183 386,259
  pour cut-out: 302,154 393,154 393,45 302,45
  pour cut-out: 747,155 838,155 838,46 747,46
  pour cut-out: 1566,1299 1635,1299 1635,1249 1566,1249
  pour cut-out: 1842,1299 1911,1299 1911,1249 1842,1249
  pour cut-out: 1566,1210 1635,1210 1635,1159 1566,1159
  pour cut-out: 1910,1159 1841,1159 1841,1210 1910,1210
  pour cut-out: 0,1299 192,1299 192,0 0,0
  pour cut-out: 730,1275.62 730,1199 701,1199 701,1228 597,1228 597,1199 568,1199 568,1275.62
  pour cut-out: 1635,40 1635,240 2635,240 2635,40
  pour cut-out: 1165,1010 1465,1010 1465,910 1165,910
  pour cut-out: 2256.94,866 2312.94,866 2312.94,691 2256.94,691
  pour cut-out: 2162,1178 2162,1216 2314.69,1216 2314.69,1178
Bottom Layer:
  rectangle net 5V: 1922,923 2098,999
  rectangle net GND: 1922,1023 2098,1099
  rectangle net 5V: 2472,527 2548,1203
  rectangle net GND: 246,401 305,520
  rectangle net VDDA: 335,949 497,985.25
  rectangle net GND: 796,292 915,350.25
  rectangle net 3V3: 903,826 939.25,926
  rectangle net 3V3: 1173,665.75 1550,702
  rectangle net GND: 335,1016.75 435,1053
  rectangle net GND: 515,1016.75 700,1053
  rectangle net GND: 2572,527 2648,1203
  rectangle net GND: 1647,152 1723,240
  region net GND: 2523,128 2447,128 2447,40 2523,40
  pour cut-out: 1012,1244.25 1078,1244.25 1078,1124.25 1012,1124.25
  pour cut-out: 932,1244.25 998,1244.25 998,1124.25 932,1124.25
  pour cut-out: 852,1244.25 918,1244.25 918,1124.25 852,1124.25
  pour cut-out: 0,1299 192,1299 192,0 0,0
  pour cut-out: 1575,99 1575,206 1643,206 1643,99
  pour cut-out: 1578,489 1578,565 1647,565 1647,489
  pour cut-out: 982,497 982,573 1066,573 1066,497
  pour cut-out: 949,99 949,206 1018,206 1018,99
  pour cut-out: 1635,40 1635,240 2635,240 2635,40
  pour cut-out: 344,1016 464,1016 464,997 344,997
  pour cut-out: 303,470 372,470 372,441 303,441
  pour cut-out: 285,81 304,81 304,49 285,49
  pour cut-out: 263.62,83 332.62,83 332.62,54 263.62,54
  pour cut-out: 875,181 938,181 938,149 875,149
  pour cut-out: 850.38,183 919.38,183 919.38,154 850.38,154
  pour cut-out: 2430,344 2443,344 2443,315 2430,315
  pour cut-out: 846,345.5 846,406.5 884,406.5 884,345.5
  pour cut-out: 937,702.38 937,925.75 970.75,925.75 970.75,702.38
  pour cut-out: 1163,666 1560,666 1560,634 1163,634
  pour cut-out: 1165,1010 1465,1010 1465,910 1165,910

## Silkscreen, mask and mechanical layers (free items; w line width, h text height)
Top Overlay:
  drawing of 22002 lines, arcs and shapes, not listed
  text "QCopterMV" at 1641,363 h100
  text "MachineVision v1.2" at 1637,259 h60
Mechanical 1:
  the board outline again, w0
Mechanical 13:
  circle w1: c1684.94,990 r118.11
  circle w1: c2584.94,390 r118.11

## Dimensions
0,1299.21 to 2677.17,1299.21 on Mechanical 13
0,1299.21 to 0,0 on Mechanical 13